# Altium PCB SAC100001-RFSENS.PcbDoc (part 1 of 4)
Units mm, origin at the board's own origin, x right, y up, seen from the top; angles counter-clockwise.
Board outline 131 x 101.6 mm, 4 copper layers (TOP, GND, PWR, BOT), stack 1.57 mm thick; 321 components, 246 nets, 1159 pads, 1505 vias.
Unrouted connection lines stored in the file: 2.
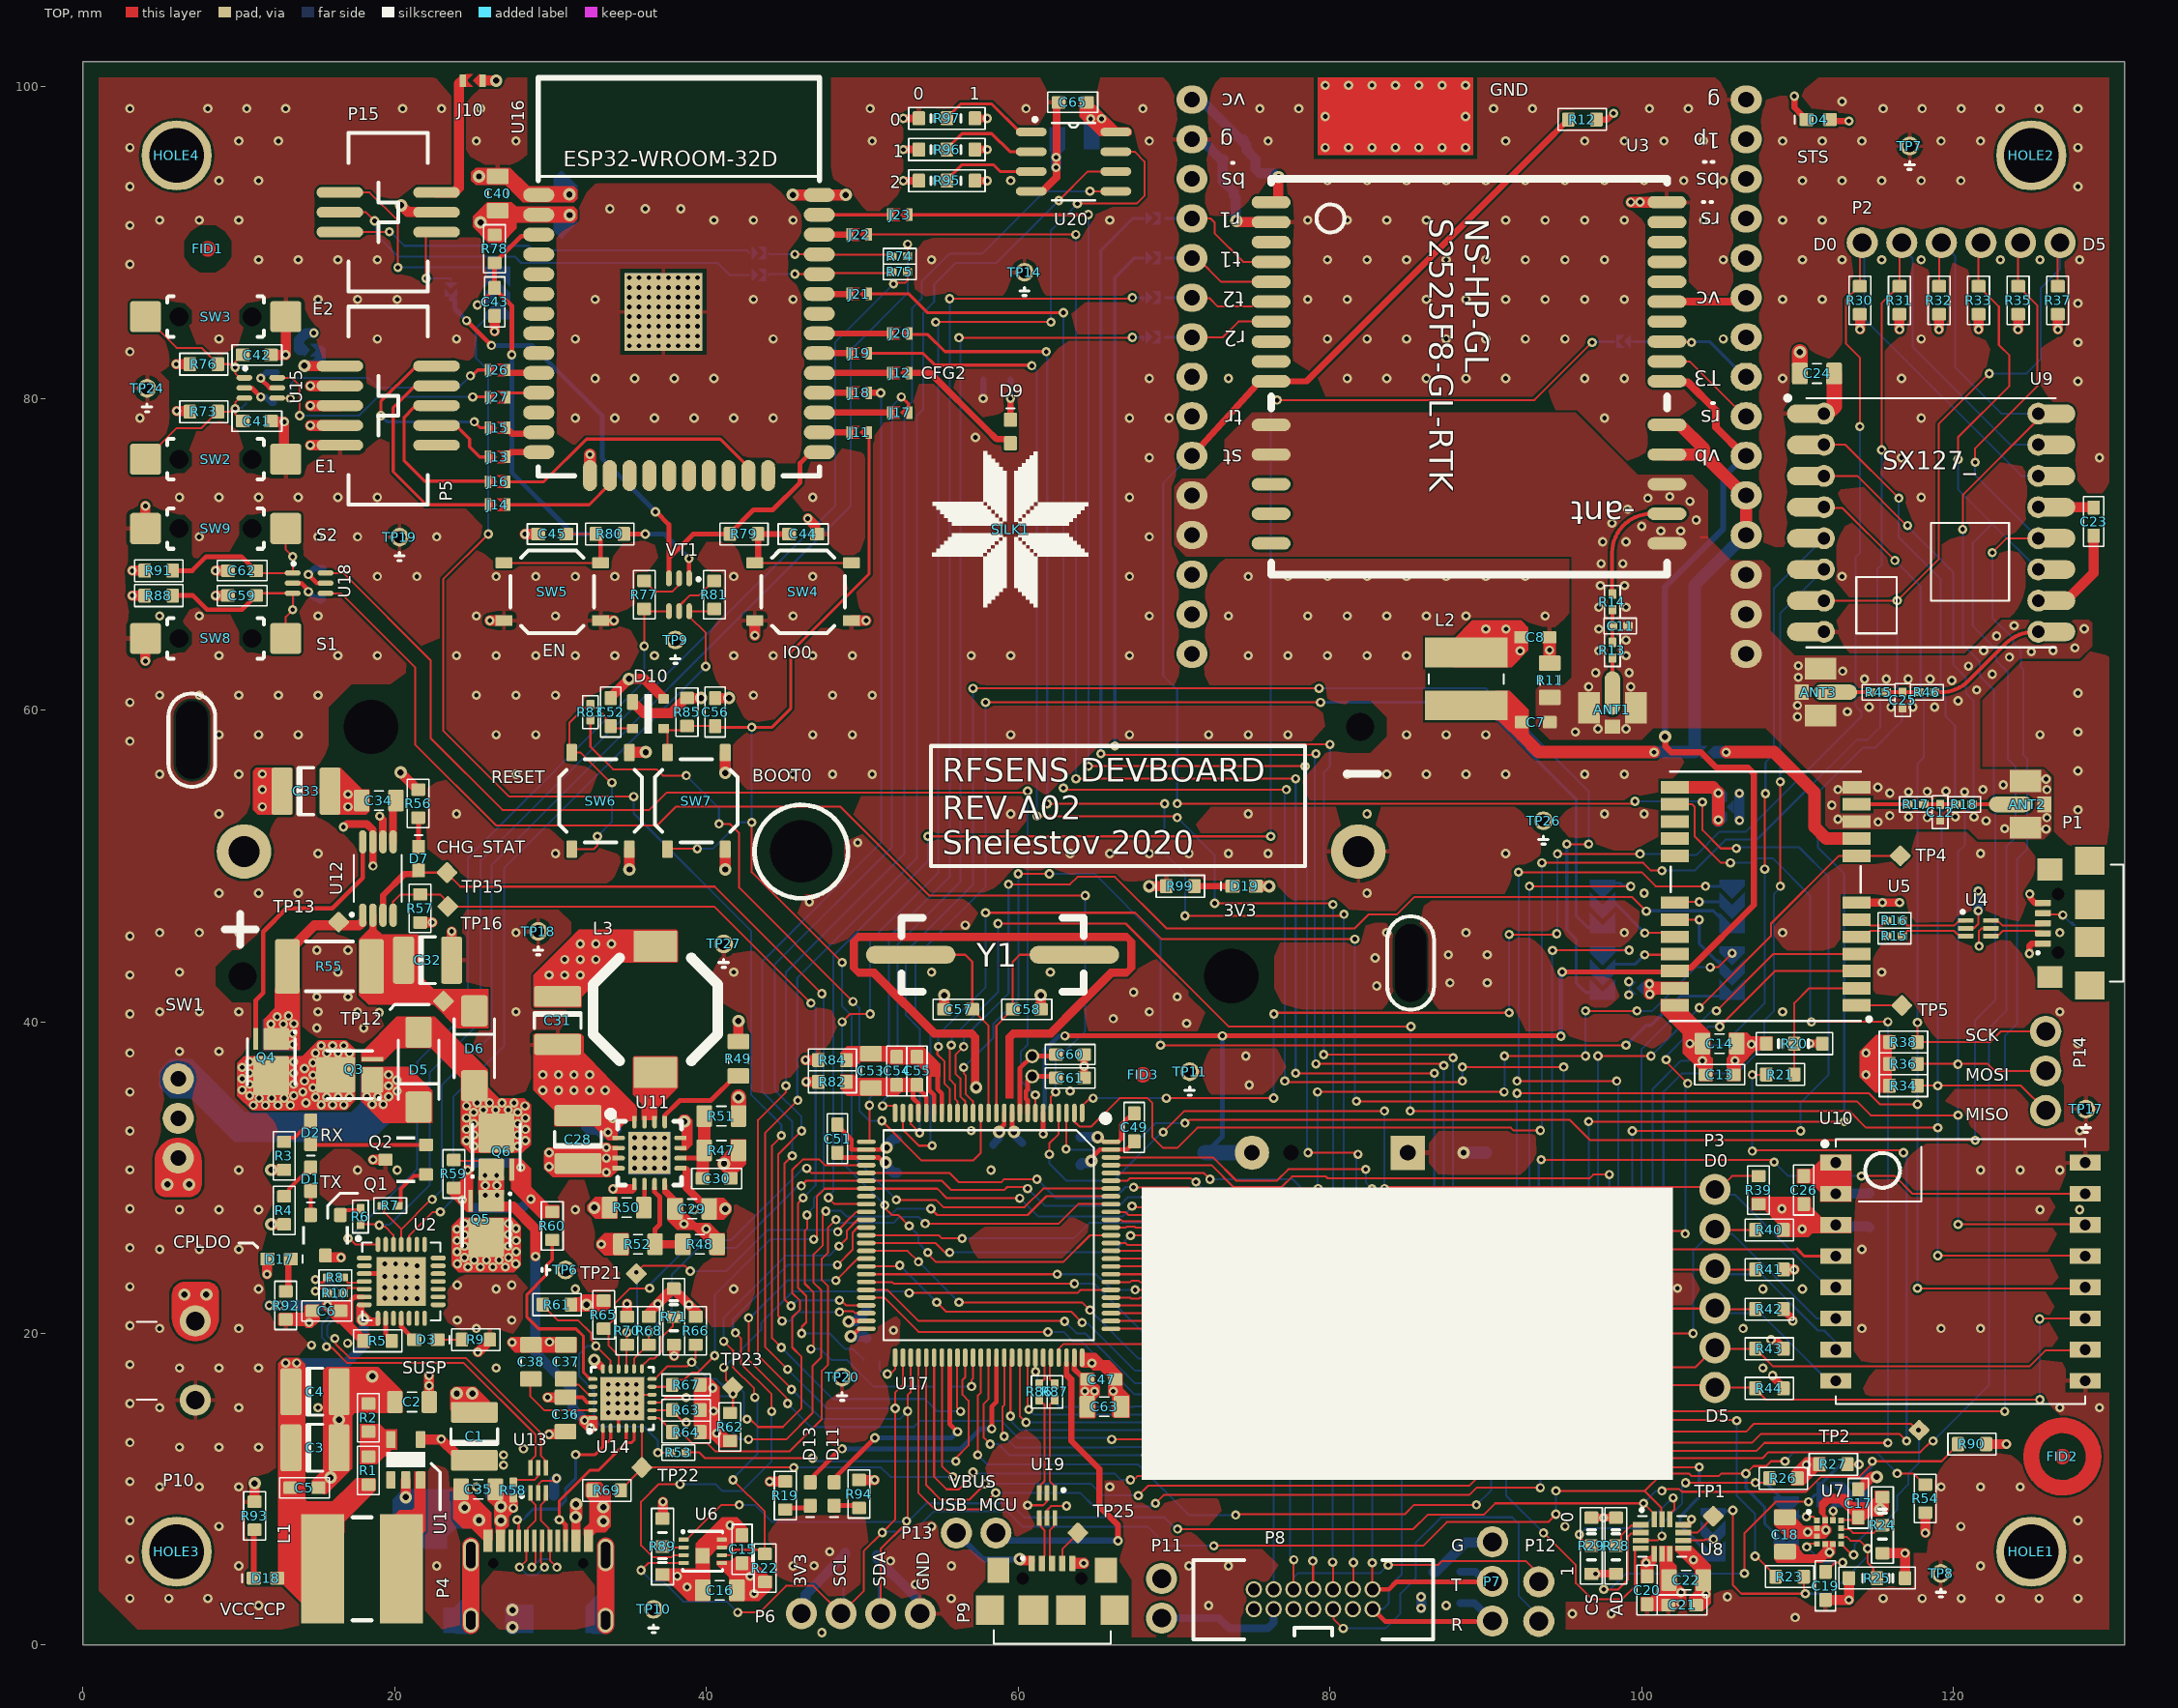
[diagram p0: TOP view]
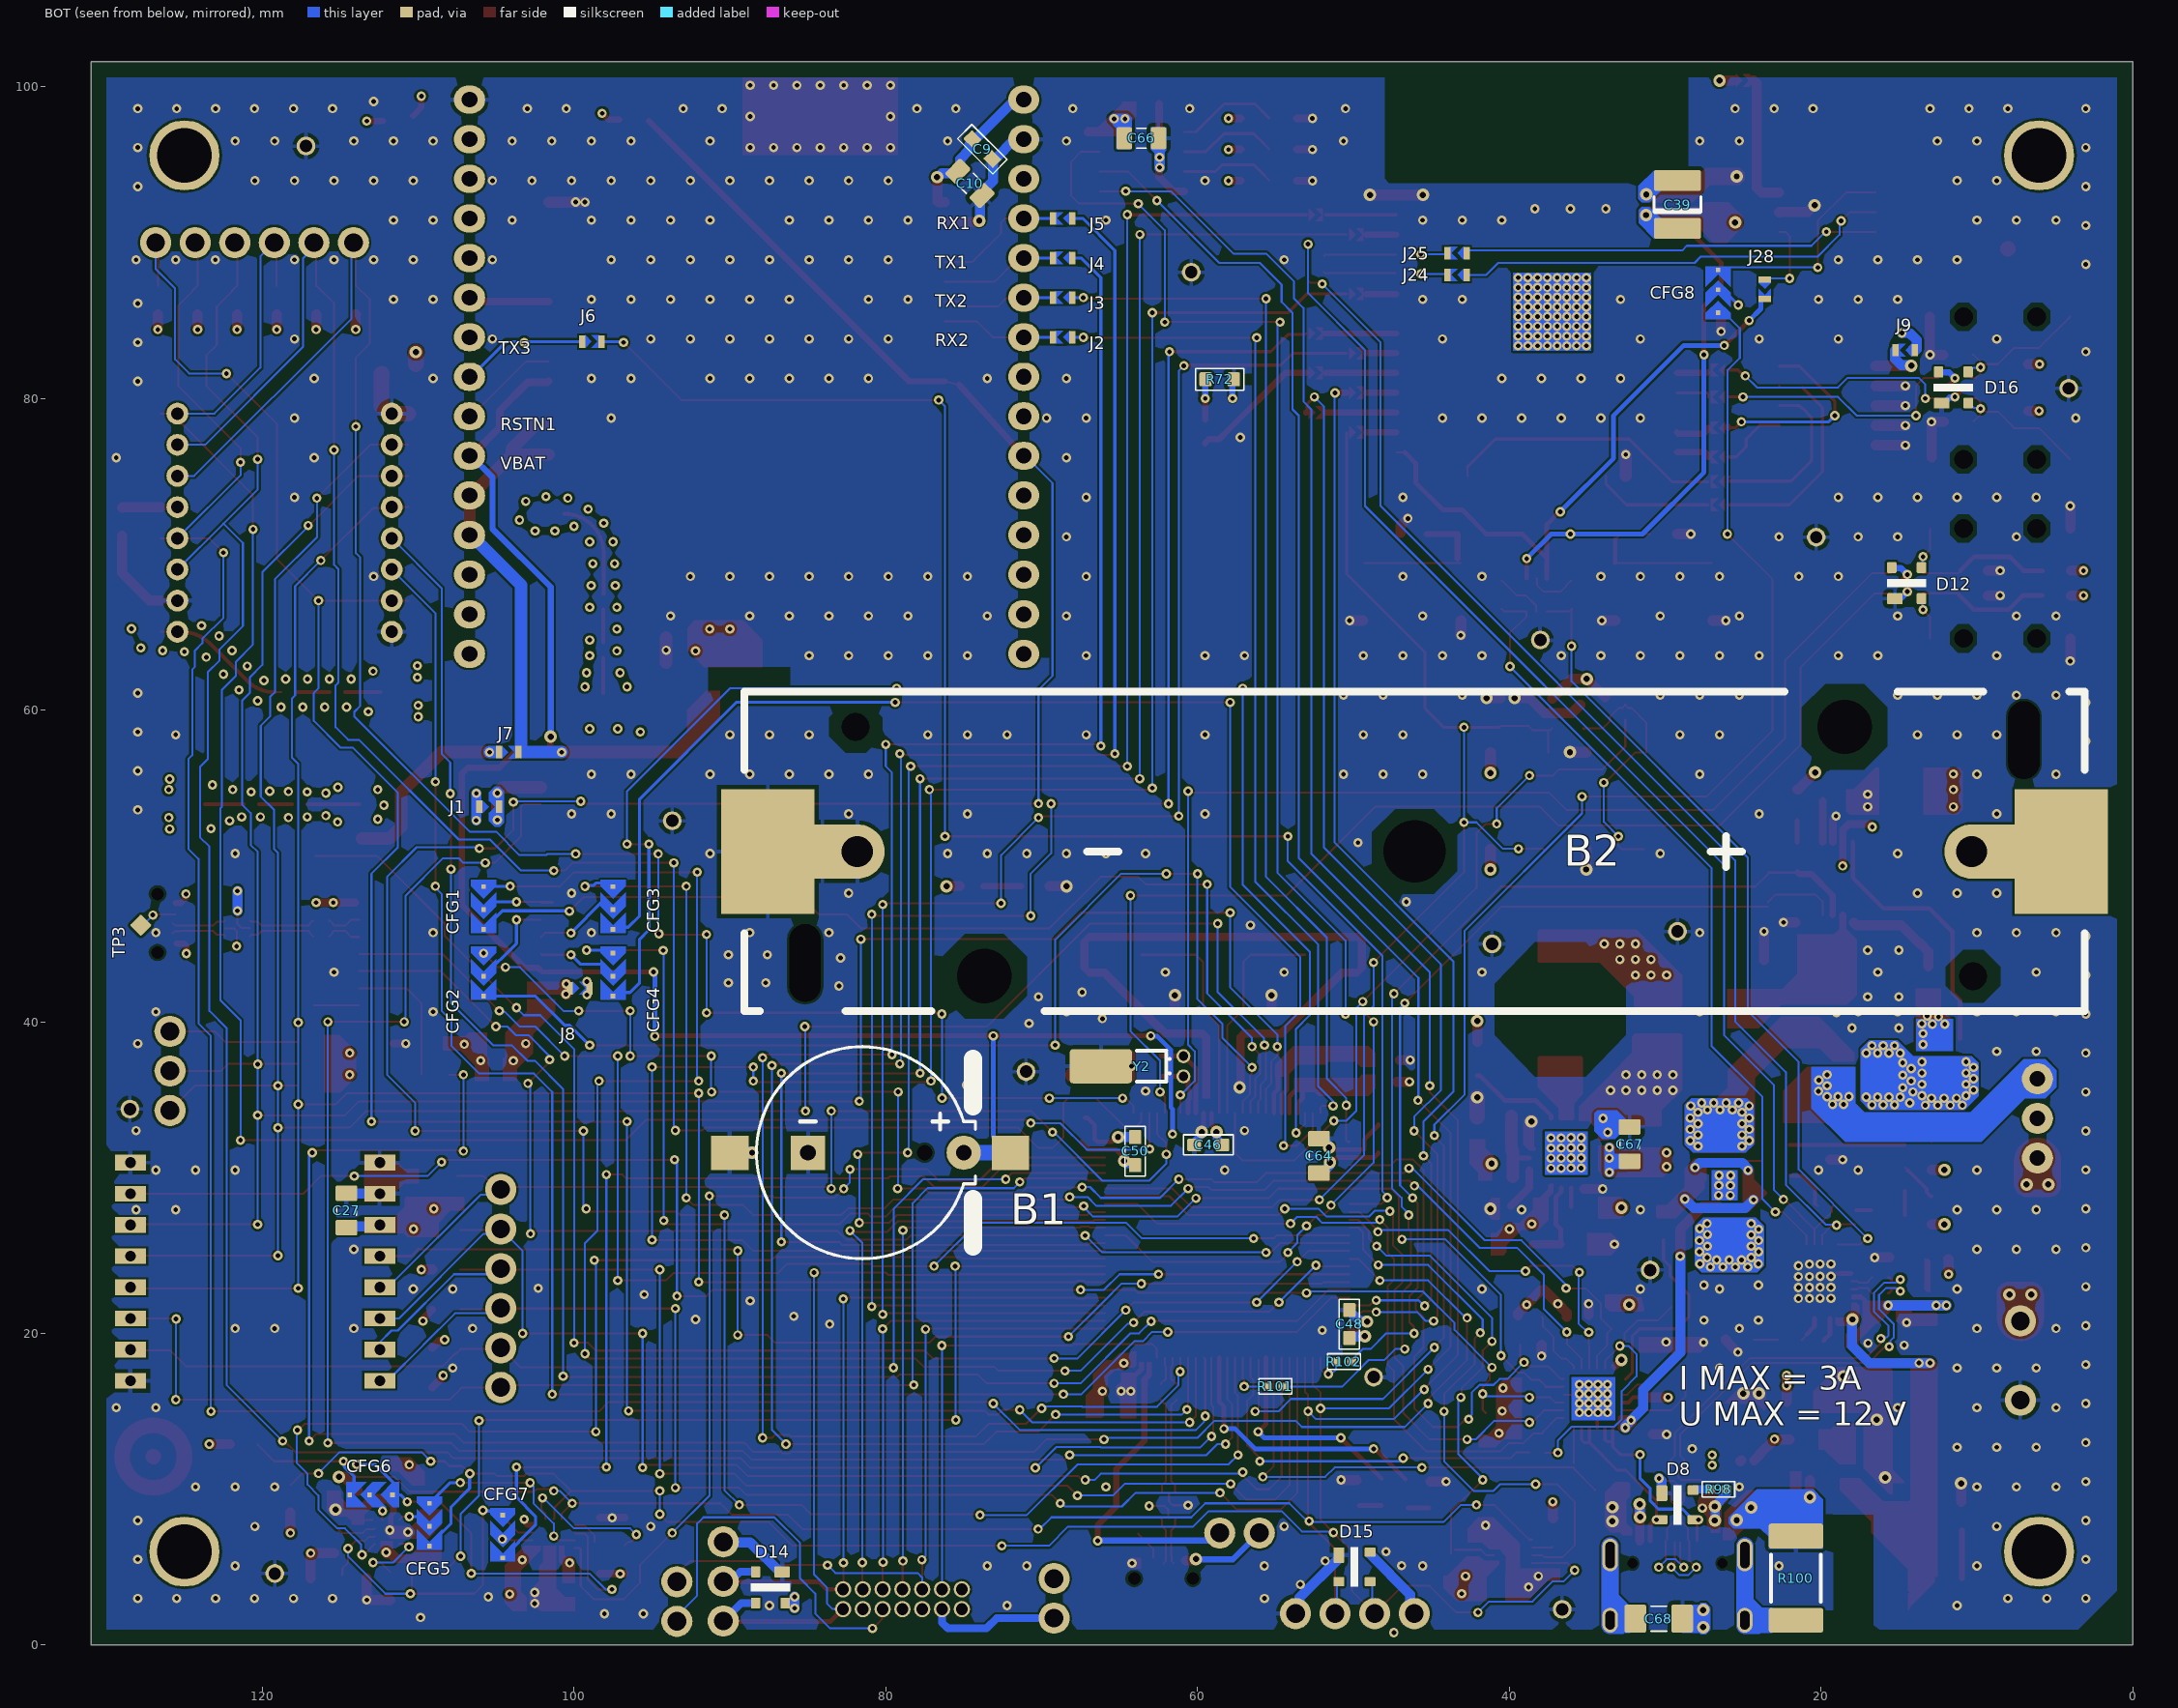
[diagram p1: BOT view, seen from below]
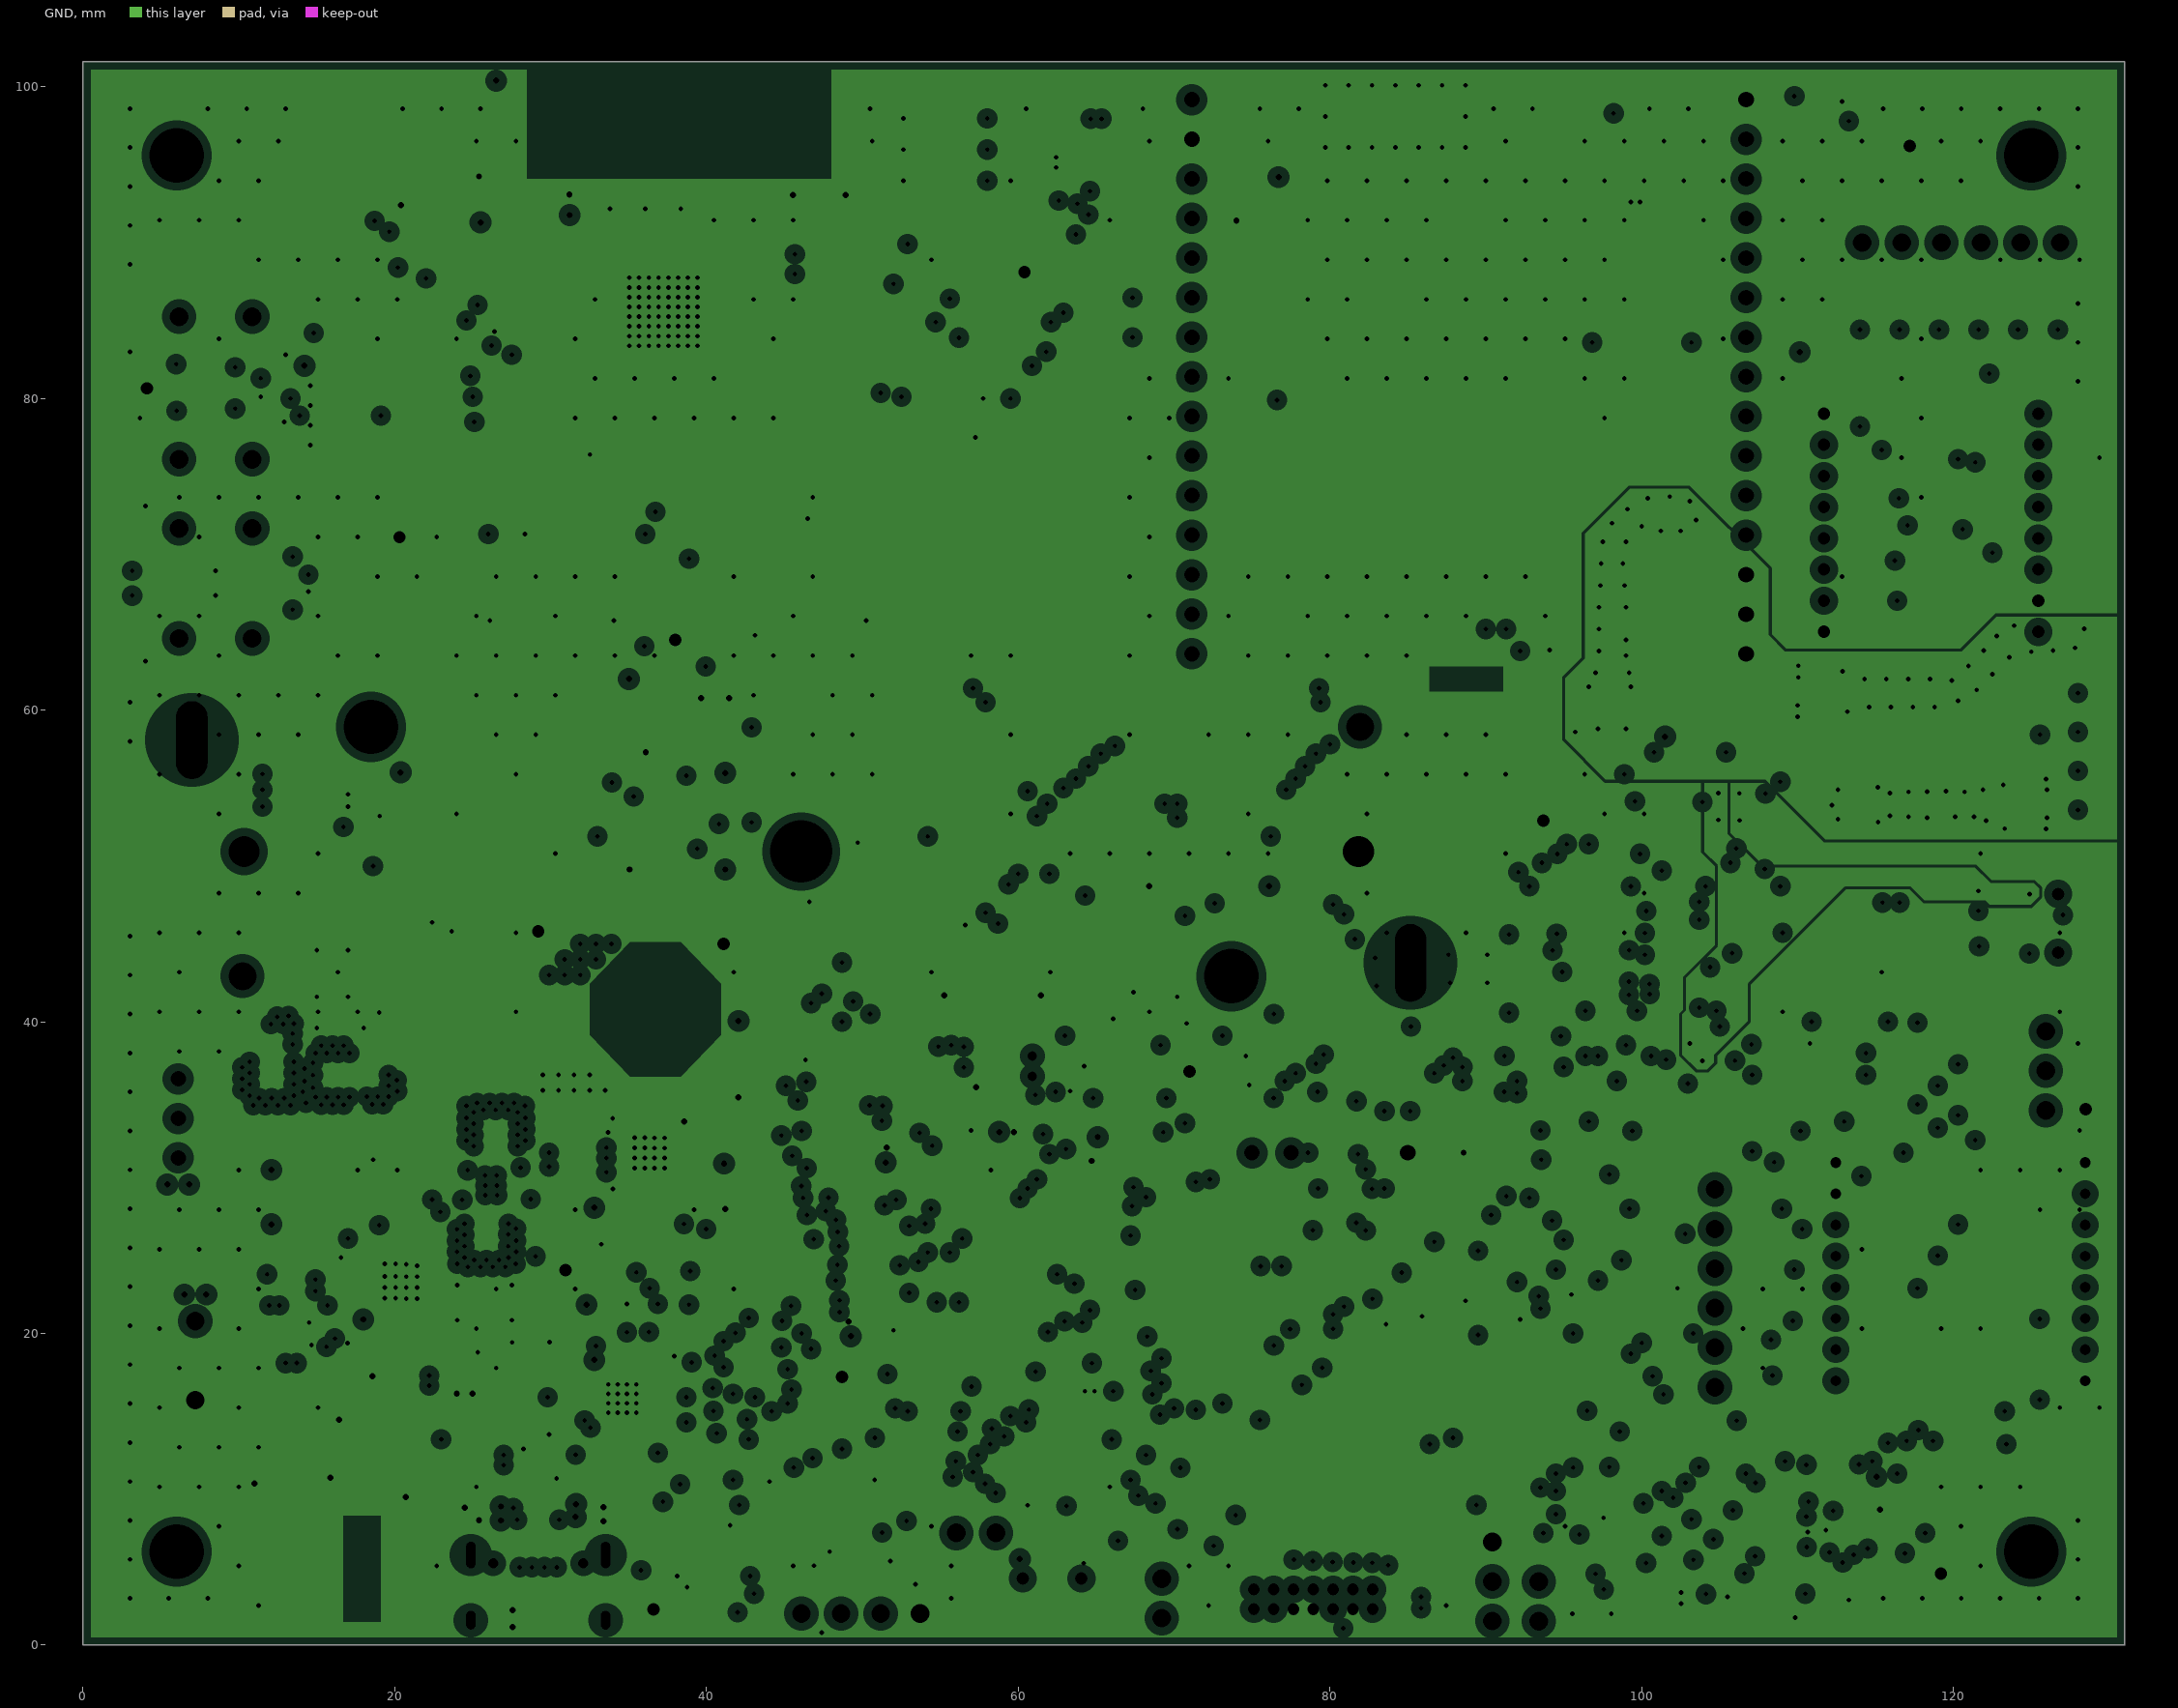
[diagram p2: GND, clearances drawn from the general rule]